# Altium PCB Hvamp_32.PCBDOC (part 5 of 6)
Units mm, origin at the board's own origin, x right, y up, seen from the top; angles counter-clockwise.
Board outline 125.1 x 100.1 mm, 6 copper layers (L1, L2, L3, L4, P5, L6), stack 1.514 mm thick; 578 components, 364 nets, 1709 pads, 908 vias.
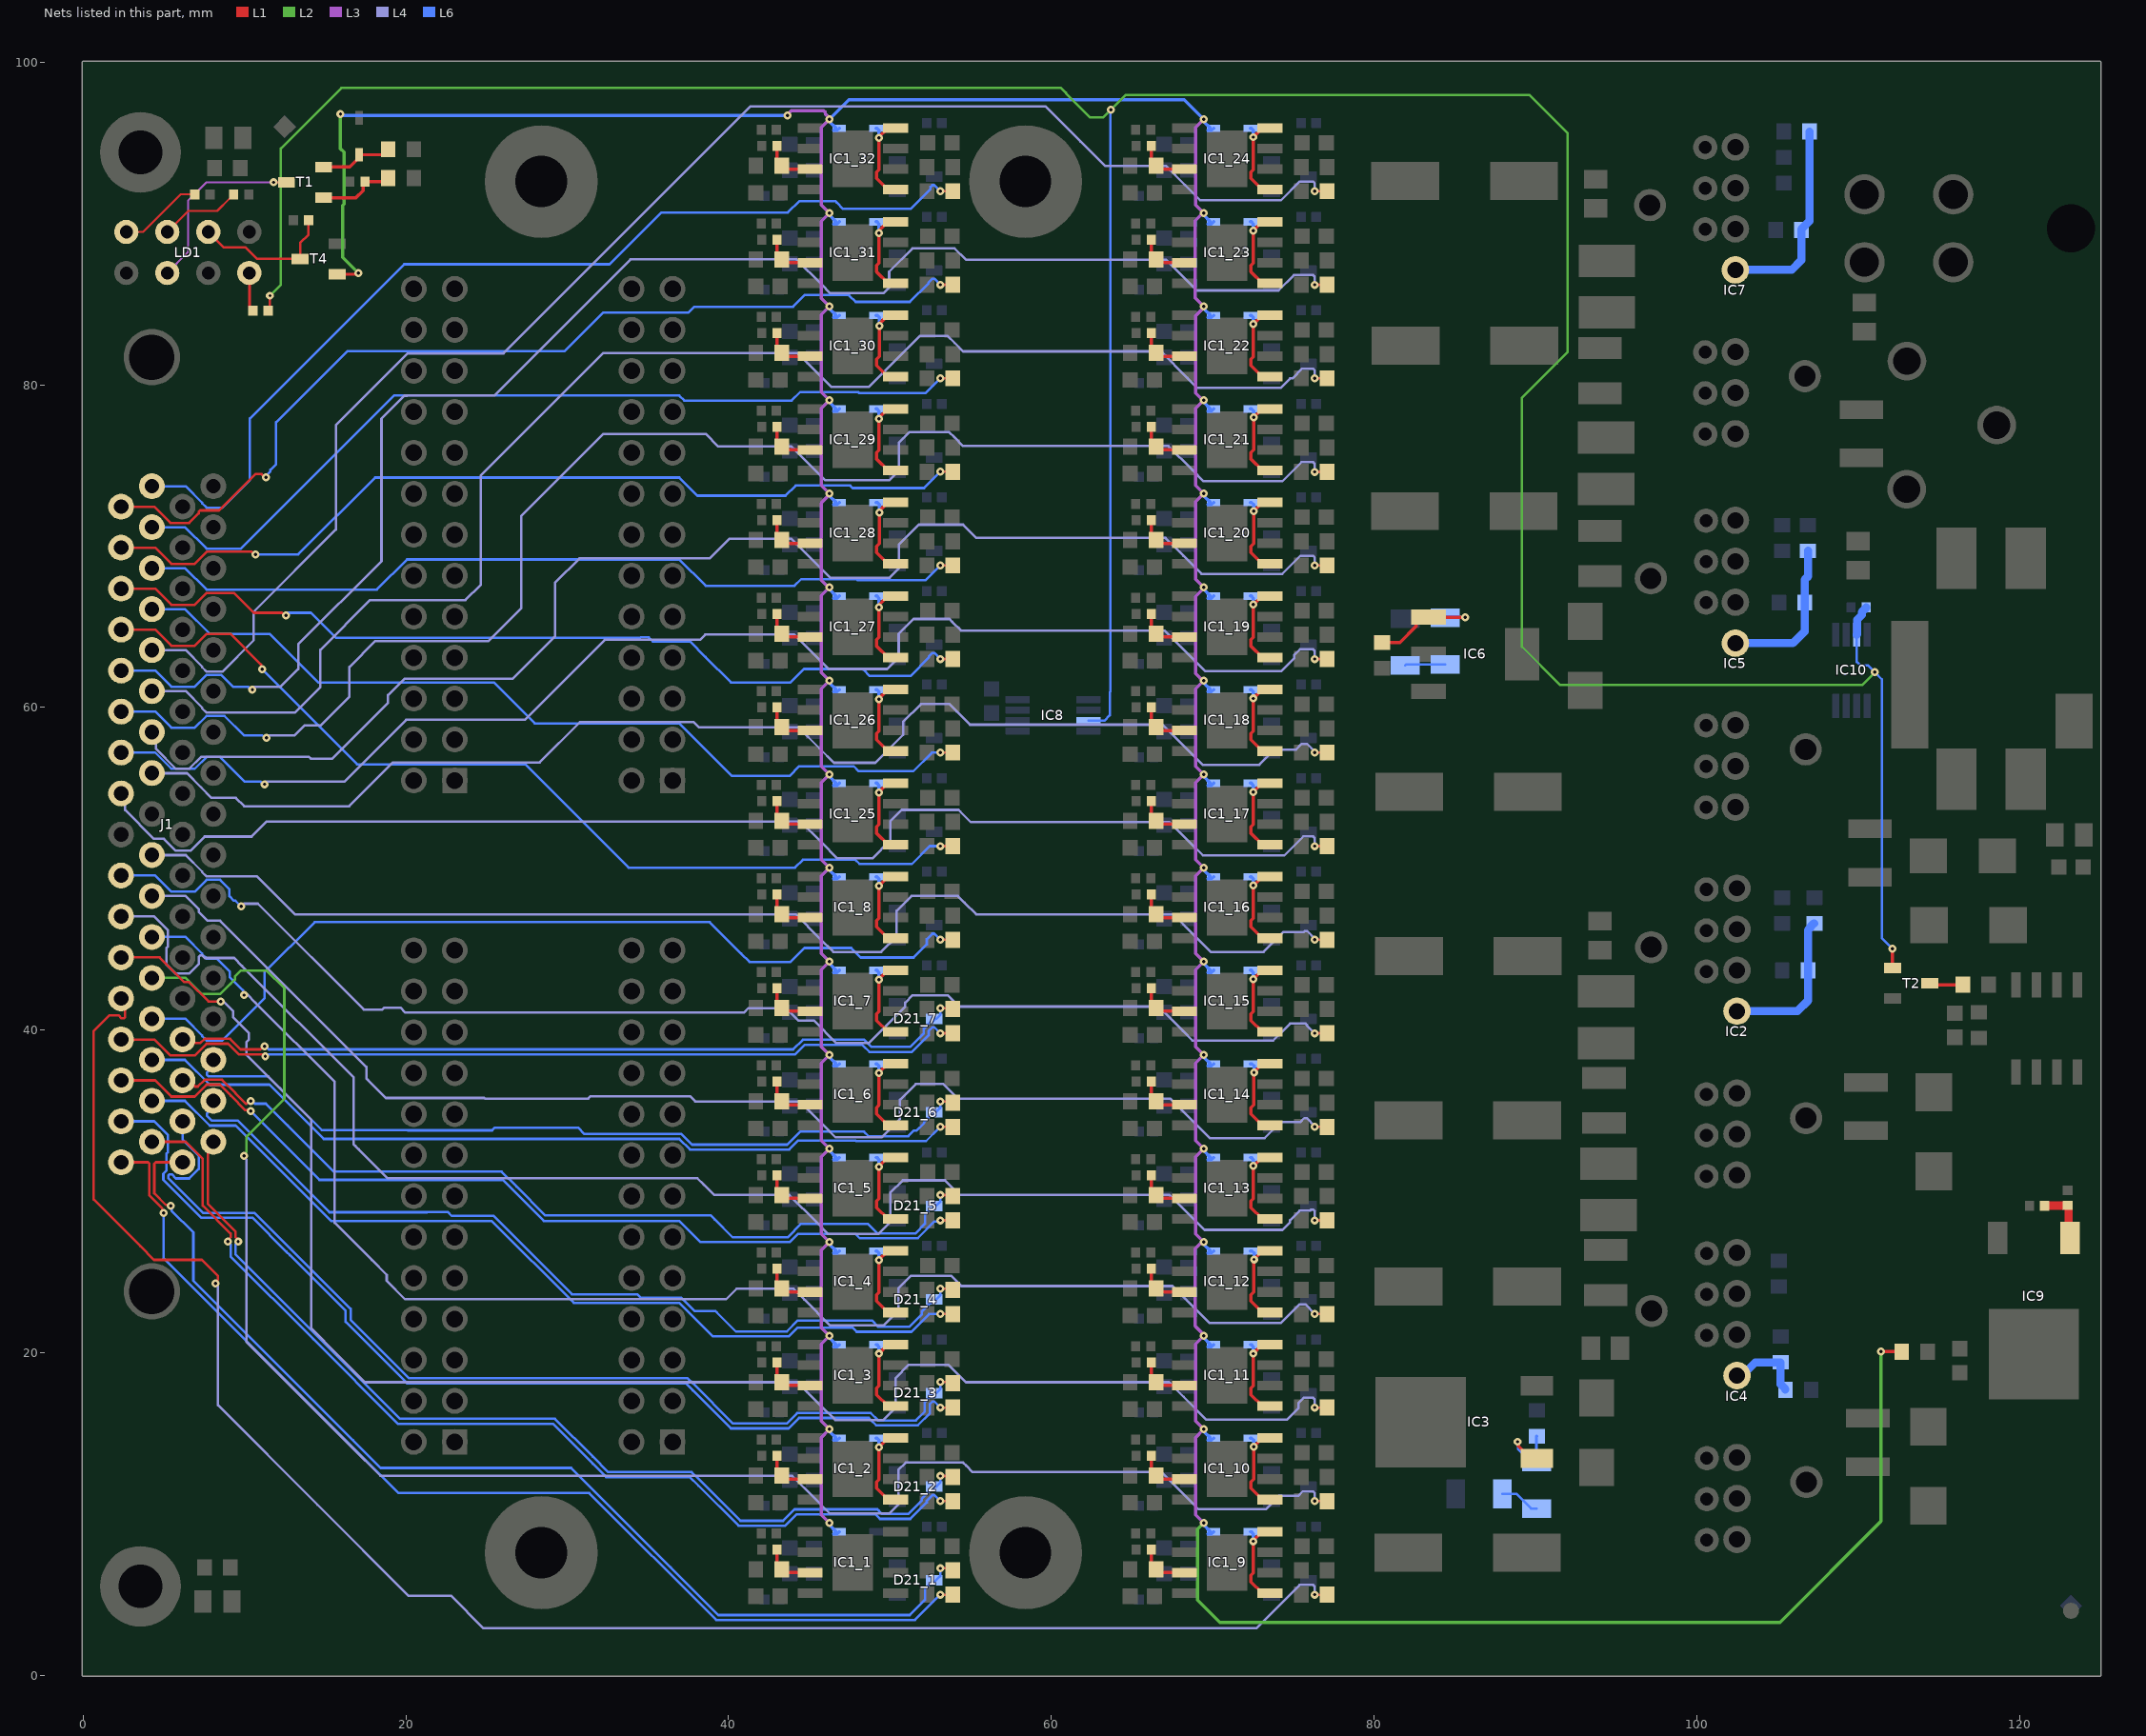
[diagram p9: the nets of this part, all layers, seen from the top]

## Via types
v1: diameter 0.5, hole 0.2, L1 to L6, tented both sides, 873 vias
v2: diameter 0.8, hole 0.5, L1 to L6, tented both sides, 35 vias

## Nets (pads, with @x,y where several pads share a name; then routed paths per layer and width w, separated by ;. In a path a pad name is that pad's centre, name@x,y a point inside that pad or via, vN(x,y) a via of type N, cw(c..) or ccw(c..) an arc to the next point about the centre after c; other vN are vias at no path point) (continued)
NetD2_1_2: D2_1.2 D2_2.2 D2_3.2 D2_4.2 D2_5.2 D2_6.2 D2_7.2 D2_8.2 D2_9.2 D2_10.2 D2_11.2 D2_12.2 D2_13.2 D2_14.2 D2_15.2 D2_16.2 D2_17.2 D2_18.2 D2_19.2 D2_20.2 D2_21.2 D2_22.2 D2_23.2 D2_24.2 D2_25.2 D2_26.2 D2_27.2 D2_28.2 D2_29.2 D2_30.2 D2_31.2 D2_32.2 R26.1 T4.1 | length 356.8
  L1 w0.203: T4.1@15.75,86.85 16.975,86.85 17.043,86.919 v1(17.069,86.919) ; v1(111.43,20.066) R26.1@112.713,20.066
  L3 w0.203: v1(43.663,96.698) 43.663,96.749 43.893,96.979 45.904,96.979 45.999,96.884 45.999,96.781 46.25,96.53 v1(46.25,96.45) 45.745,95.945 45.745,91.155 v1(46.25,90.65) 45.745,90.145 45.745,85.355 v1(46.25,84.85) 45.745,84.345 45.745,79.555 v1(46.25,79.05) 45.745,78.545 45.745,73.755 v1(46.25,73.25) ; v1(46.25,9.45) 45.745,9.955 45.745,14.745 v1(46.25,15.25) 45.745,15.755 45.745,20.545 v1(46.25,21.05) 45.745,21.555 45.745,26.345 v1(46.25,26.85) 45.745,27.355 45.745,32.145 v1(46.25,32.65) 45.745,33.155 45.745,37.945 v1(46.25,38.45) 45.745,38.955 45.745,43.745 v1(46.25,44.25) 45.745,44.755 45.745,49.545 v1(46.25,50.05) 45.745,50.555 45.745,55.345 v1(46.25,55.85) 45.745,56.355 45.745,61.145 v1(46.25,61.65) 45.745,62.155 45.745,66.945 v1(46.25,67.45) ; v1@46.25,67.385 45.745,67.89 45.745,72.68 v1@46.25,73.185 ; v1@69.418,21.147 68.913,21.652 68.913,26.443 v1@69.418,26.948 ; v1@69.418,84.882 68.913,85.387 68.913,90.178 v1@69.418,90.683 ; v1(69.45,9.45) 68.945,9.955 68.945,14.745 v1(69.45,15.25) 68.945,15.755 68.945,20.545 v1(69.45,21.05) ; v1(69.45,26.85) 68.945,27.355 68.945,32.145 v1(69.45,32.65) 68.945,33.155 68.945,37.945 v1(69.45,38.45) 68.945,38.955 68.945,43.745 v1(69.45,44.25) 68.945,44.755 68.945,49.545 v1(69.45,50.05) 68.945,50.555 68.945,55.345 v1(69.45,55.85) 68.945,56.355 68.945,61.145 v1(69.45,61.65) ; v1@69.45,61.585 68.945,62.09 68.945,66.88 v1@69.45,67.385 ; v1(69.45,67.45) 68.945,67.955 68.945,72.745 v1(69.45,73.25) 68.945,73.755 68.945,78.545 v1(69.45,79.05) ; v1@69.45,78.985 68.945,79.49 68.945,84.28 v1@69.45,84.785 ; v1(69.45,90.65) 68.945,91.155 68.945,95.945 v1(69.45,96.45)
  L2 w0.203: v1(15.951,96.774) 15.951,94.636 16.179,94.409 16.179,91.205 16.082,91.109 16.082,87.905 v1(17.069,86.919) ; v1(69.45,9.45) 69.45,9.44 69.063,9.053 69.063,4.674 70.46,3.277 105.156,3.277 111.43,9.55 v1(111.43,20.066)
  L6 w0.203: v1(15.951,96.774) 16.027,96.698 v1(43.663,96.698) ; v1(46.25,9.45) 46.25,9.32 46.65,8.92 46.65,8.9 46.521,8.772 46.732,8.772 D2_1.2@46.86,8.9 ; v1(46.25,15.25) 46.25,15.12 46.65,14.72 46.65,14.7 46.521,14.572 46.732,14.572 D2_2.2@46.86,14.7 ; v1(46.25,21.05) 46.25,20.92 46.65,20.52 46.65,20.5 46.521,20.372 46.732,20.372 D2_3.2@46.86,20.5 ; v1(46.25,26.85) 46.25,26.72 46.65,26.32 46.65,26.3 46.521,26.172 46.732,26.172 D2_4.2@46.86,26.3 ; v1(46.25,32.65) 46.25,32.52 46.65,32.12 46.65,32.1 46.521,31.972 46.732,31.972 D2_5.2@46.86,32.1 ; v1(46.25,38.45) 46.25,38.32 46.65,37.92 46.65,37.9 46.521,37.772 46.732,37.772 D2_6.2@46.86,37.9 ; v1(46.25,44.25) 46.25,44.12 46.65,43.72 46.65,43.7 46.521,43.572 46.732,43.572 D2_7.2@46.86,43.7 ; v1(46.25,50.05) 46.25,49.92 46.65,49.52 46.65,49.5 46.521,49.372 46.732,49.372 D2_8.2@46.86,49.5 ; v1(46.25,55.85) 46.25,55.72 46.65,55.32 46.65,55.3 46.521,55.172 46.732,55.172 D2_25.2@46.86,55.3 ; v1(46.25,61.65) 46.25,61.52 46.65,61.12 46.65,61.1 46.521,60.972 46.732,60.972 D2_26.2@46.86,61.1 ; v1(46.25,67.45) 46.25,67.32 46.65,66.92 46.65,66.9 46.521,66.772 46.732,66.772 D2_27.2@46.86,66.9 ; v1(46.25,73.25) 46.25,73.12 46.65,72.72 46.65,72.7 46.521,72.572 46.732,72.572 D2_28.2@46.86,72.7 ; v1(46.25,79.05) 46.25,78.92 46.65,78.52 46.65,78.5 46.521,78.372 46.732,78.372 D2_29.2@46.86,78.5 ; v1(46.25,84.85) 46.25,84.72 46.65,84.32 46.65,84.3 46.521,84.172 46.732,84.172 D2_30.2@46.86,84.3 ; v1(46.25,90.65) 46.25,90.52 46.65,90.12 46.65,90.1 46.521,89.972 46.732,89.972 D2_31.2@46.86,90.1 ; D2_32.2@46.86,95.9 46.732,95.772 46.521,95.772 46.65,95.9 46.65,95.92 46.25,96.32 v1(46.25,96.45) 47.463,97.663 68.237,97.663 v1(69.45,96.45) 69.45,96.32 69.85,95.92 69.85,95.9 69.721,95.772 69.932,95.772 D2_24.2@70.06,95.9 ; v1(69.45,9.45) 69.45,9.32 69.85,8.92 69.85,8.9 69.721,8.772 69.932,8.772 D2_9.2@70.06,8.9 ; v1(69.45,15.25) 69.45,15.12 69.85,14.72 69.85,14.7 69.721,14.572 69.932,14.572 D2_10.2@70.06,14.7 ; v1(69.45,21.05) 69.45,20.92 69.85,20.52 69.85,20.5 69.721,20.372 69.932,20.372 D2_11.2@70.06,20.5 ; v1(69.45,26.85) 69.45,26.72 69.85,26.32 69.85,26.3 69.721,26.172 69.932,26.172 D2_12.2@70.06,26.3 ; v1(69.45,32.65) 69.45,32.52 69.85,32.12 69.85,32.1 69.721,31.972 69.932,31.972 D2_13.2@70.06,32.1 ; v1(69.45,38.45) 69.45,38.32 69.85,37.92 69.85,37.9 69.721,37.772 69.932,37.772 D2_14.2@70.06,37.9 ; v1(69.45,44.25) 69.45,44.12 69.85,43.72 69.85,43.7 69.721,43.572 69.932,43.572 D2_15.2@70.06,43.7 ; v1(69.45,50.05) 69.45,49.92 69.85,49.52 69.85,49.5 69.721,49.372 69.932,49.372 D2_16.2@70.06,49.5 ; v1(69.45,55.85) 69.45,55.72 69.85,55.32 69.85,55.3 69.721,55.172 69.932,55.172 D2_17.2@70.06,55.3 ; v1(69.45,61.65) 69.45,61.52 69.85,61.12 69.85,61.1 69.721,60.972 69.932,60.972 D2_18.2@70.06,61.1 ; v1(69.45,67.45) 69.45,67.32 69.85,66.92 69.85,66.9 69.721,66.772 69.932,66.772 D2_19.2@70.06,66.9 ; v1(69.45,73.25) 69.45,73.12 69.85,72.72 69.85,72.7 69.721,72.572 69.932,72.572 D2_20.2@70.06,72.7 ; v1(69.45,79.05) 69.45,78.92 69.85,78.52 69.85,78.5 69.721,78.372 69.932,78.372 D2_21.2@70.06,78.5 ; v1(69.45,84.85) 69.45,84.72 69.85,84.32 69.85,84.3 69.721,84.172 69.932,84.172 D2_22.2@70.06,84.3 ; v1(69.45,90.65) 69.45,90.52 69.85,90.12 69.85,90.1 69.721,89.972 69.932,89.972 D2_23.2@70.06,90.1
NetD2_2_1: D2_2.1 IC1_2.5 IC1_2.8 | length 6
  L1 w0.203: v1@49.318,14.148 49.875,14.705 IC1_2.8@50.35,14.705 ; v1(49.322,14.148) 49.322,12.141 49.174,11.993 49.174,11.596 49.875,10.895 IC1_2.5@50.35,10.895
  L6 w0.203: D2_2.1@49.14,14.7 49.194,14.7 49.322,14.572 v1(49.322,14.148)
NetD2_3_1: D2_3.1 IC1_3.5 IC1_3.8 | length 6
  L1 w0.203: v1@49.309,19.939 49.875,20.505 IC1_3.8@50.35,20.505 ; v1(49.322,19.939) 49.322,17.941 49.174,17.793 49.174,17.396 49.875,16.695 IC1_3.5@50.35,16.695
  L6 w0.203: D2_3.1@49.14,20.5 49.194,20.5 49.322,20.372 v1(49.322,19.939)
NetD2_4_1: D2_4.1 IC1_4.5 IC1_4.8 | length 6
  L1 w0.203: v1@49.3,25.73 49.875,26.305 IC1_4.8@50.35,26.305 ; v1(49.322,25.73) 49.322,23.741 49.174,23.593 49.174,23.196 49.875,22.495 IC1_4.5@50.35,22.495
  L6 w0.203: D2_4.1@49.14,26.3 49.194,26.3 49.322,26.172 v1(49.322,25.73)
NetD2_5_1: D2_5.1 IC1_5.5 IC1_5.8 | length 6
  L1 w0.203: v1@49.301,31.521 49.301,31.531 49.875,32.105 IC1_5.8@50.35,32.105 ; v1(49.322,31.521) 49.322,29.541 49.174,29.393 49.174,28.996 49.875,28.295 IC1_5.5@50.35,28.295
  L6 w0.203: D2_5.1@49.14,32.1 49.194,32.1 49.322,31.972 v1(49.322,31.521)
NetD2_6_1: D2_6.1 IC1_6.5 IC1_6.8 | length 6
  L1 w0.203: IC1_6.5@50.35,34.095 49.875,34.095 49.174,34.796 49.174,35.193 49.327,35.346 49.327,37.357 49.875,37.905 IC1_6.8@50.35,37.905
  L6 w0.203: D2_6.1@49.14,37.9 49.198,37.9 49.327,37.772 v1(49.327,37.338)
NetD2_7_1: D2_7.1 IC1_7.5 IC1_7.8 | length 6
  L1 w0.203: v1@49.299,43.129 49.875,43.705 IC1_7.8@50.35,43.705 ; v1(49.322,43.129) 49.322,41.141 49.174,40.993 49.174,40.596 49.875,39.895 IC1_7.5@50.35,39.895
  L6 w0.203: D2_7.1@49.14,43.7 49.194,43.7 49.322,43.572 v1(49.322,43.129)
NetD2_8_1: D2_8.1 IC1_8.5 IC1_8.8 | length 6
  L1 w0.203: v1@49.316,48.946 49.875,49.505 IC1_8.8@50.35,49.505 ; v1(49.322,48.946) 49.322,46.941 49.174,46.793 49.174,46.396 49.875,45.695 IC1_8.5@50.35,45.695
  L6 w0.203: D2_8.1@49.14,49.5 49.194,49.5 49.322,49.372 v1(49.322,48.946)
NetD2_9_1: D2_9.1 IC1_9.5 IC1_9.8 | length 6.1
  L1 w0.203: v1@72.492,8.306 72.492,8.322 73.075,8.905 IC1_9.8@73.55,8.905 ; v1(72.522,8.306) 72.522,6.341 72.374,6.193 72.374,5.796 73.075,5.095 IC1_9.5@73.55,5.095
  L6 w0.203: D2_9.1@72.34,8.9 72.394,8.9 72.522,8.772 v1(72.522,8.306)
NetD2_10_1: D2_10.1 IC1_10.5 IC1_10.8 | length 6
  L1 w0.203: v1(72.542,14.173) 72.542,12.161 72.374,11.993 72.374,11.596 73.075,10.895 IC1_10.5@73.55,10.895 ; v1(72.542,14.173) 73.075,14.705 IC1_10.8@73.55,14.705
  L6 w0.203: D2_10.1@72.34,14.7 72.414,14.7 72.542,14.572 v1(72.542,14.173)
NetD2_11_1: D2_11.1 IC1_11.5 IC1_11.8 | length 6
  L1 w0.203: v1@72.509,19.939 73.075,20.505 IC1_11.8@73.55,20.505 ; v1(72.522,19.939) 72.522,17.941 72.374,17.793 72.374,17.396 73.075,16.695 IC1_11.5@73.55,16.695
  L6 w0.203: D2_11.1@72.34,20.5 72.394,20.5 72.522,20.372 v1(72.522,19.939)
NetD2_12_1: D2_12.1 IC1_12.5 IC1_12.8 | length 6
  L1 w0.203: IC1_12.5@73.55,22.495 73.075,22.495 72.374,23.196 72.374,23.593 72.546,23.765 72.546,25.76 v1(72.568,25.781) 72.568,25.798 73.075,26.305 IC1_12.8@73.55,26.305
  L6 w0.203: D2_12.1@72.34,26.3 72.439,26.3 72.568,26.172 v1(72.568,25.781)
NetD2_13_1: D2_13.1 IC1_13.5 IC1_13.8 | length 6
  L1 w0.203: IC1_13.5@73.55,28.295 73.075,28.295 72.374,28.996 72.374,29.393 72.522,29.541 72.522,31.552 73.075,32.105 IC1_13.8@73.55,32.105
  L6 w0.203: D2_13.1@72.34,32.1 72.394,32.1 72.522,31.972 v1(72.522,31.572)
NetD2_14_1: D2_14.1 IC1_14.5 IC1_14.8 | length 6
  L1 w0.203: IC1_14.5@73.55,34.095 73.075,34.095 72.374,34.796 72.374,35.193 72.546,35.365 72.546,37.342 v1(72.568,37.363) 72.568,37.398 73.075,37.905 IC1_14.8@73.55,37.905
  L6 w0.203: D2_14.1@72.34,37.9 72.439,37.9 72.568,37.772 v1(72.568,37.363)
NetD2_15_1: D2_15.1 IC1_15.5 IC1_15.8 | length 6
  L1 w0.203: IC1_15.5@73.55,39.895 73.075,39.895 72.374,40.596 72.374,40.993 72.522,41.141 72.522,43.152 73.075,43.705 IC1_15.8@73.55,43.705
  L6 w0.203: D2_15.1@72.34,43.7 72.394,43.7 72.522,43.572 v1(72.522,43.155)
NetD2_16_1: D2_16.1 IC1_16.5 IC1_16.8 | length 6
  L1 w0.203: IC1_16.5@73.55,45.695 73.075,45.695 72.374,46.396 72.374,46.793 72.522,46.941 72.522,48.966 72.517,48.971 72.541,48.971 73.075,49.505 IC1_16.8@73.55,49.505
  L6 w0.203: D2_16.1@72.34,49.5 72.394,49.5 72.522,49.372 v1(72.522,48.971)
NetD2_17_1: D2_17.1 IC1_17.5 IC1_17.8 | length 6
  L1 w0.203: IC1_17.5@73.55,51.495 73.075,51.495 72.374,52.196 72.374,52.593 72.522,52.741 72.522,54.752 73.075,55.305 IC1_17.8@73.55,55.305
  L6 w0.203: D2_17.1@72.34,55.3 72.394,55.3 72.522,55.172 v1(72.522,54.762)
NetD2_18_1: D2_18.1 IC1_18.5 IC1_18.8 | length 6
  L1 w0.203: IC1_18.5@73.55,57.295 73.075,57.295 72.374,57.996 72.374,58.393 72.522,58.541 72.522,60.552 73.075,61.105 IC1_18.8@73.55,61.105
  L6 w0.203: D2_18.1@72.34,61.1 72.394,61.1 72.522,60.972 v1(72.522,60.554)
NetD2_19_1: D2_19.1 IC1_19.5 IC1_19.8 | length 6
  L1 w0.203: IC1_19.5@73.55,63.095 73.075,63.095 72.374,63.796 72.374,64.193 72.522,64.341 72.522,66.365 72.517,66.37 72.54,66.37 73.075,66.905 IC1_19.8@73.55,66.905
  L6 w0.203: D2_19.1@72.34,66.9 72.394,66.9 72.522,66.772 v1(72.522,66.37)
NetD2_20_1: D2_20.1 IC1_20.5 IC1_20.8 | length 6
  L1 w0.203: IC1_20.5@73.55,68.895 73.075,68.895 72.374,69.596 72.374,69.993 72.542,70.161 72.542,72.172 73.075,72.705 IC1_20.8@73.55,72.705
  L6 w0.203: D2_20.1@72.34,72.7 72.414,72.7 72.542,72.572 v1(72.542,72.161)
NetD2_21_1: D2_21.1 IC1_21.5 IC1_21.8 | length 6
  L1 w0.203: IC1_21.5@73.55,74.695 73.075,74.695 72.374,75.396 72.374,75.793 72.542,75.961 v1(72.542,77.978) 72.548,77.978 73.075,78.505 IC1_21.8@73.55,78.505
  L6 w0.203: D2_21.1@72.34,78.5 72.414,78.5 72.542,78.372 v1(72.542,77.978)
NetD2_22_1: D2_22.1 IC1_22.5 IC1_22.8 | length 6
  L1 w0.203: IC1_22.5@73.55,80.495 73.075,80.495 72.374,81.196 72.374,81.593 72.522,81.741 72.522,83.752 73.075,84.305 IC1_22.8@73.55,84.305
  L6 w0.203: D2_22.1@72.34,84.3 72.394,84.3 72.522,84.172 v1(72.522,83.769)
NetD2_23_1: D2_23.1 IC1_23.5 IC1_23.8 | length 6
  L1 w0.203: IC1_23.5@73.55,86.295 73.075,86.295 72.374,86.996 72.374,87.393 72.522,87.541 72.522,89.555 72.517,89.56 72.53,89.56 73.075,90.105 IC1_23.8@73.55,90.105
  L6 w0.203: D2_23.1@72.34,90.1 72.394,90.1 72.522,89.972 v1(72.522,89.56)
NetD2_24_1: D2_24.1 IC1_24.5 IC1_24.8 | length 6
  L1 w0.203: IC1_24.5@73.55,92.095 73.075,92.095 72.374,92.796 72.374,93.193 72.522,93.341 v1(72.522,95.352) 73.075,95.905 IC1_24.8@73.55,95.905
  L6 w0.203: D2_24.1@72.34,95.9 72.394,95.9 72.522,95.772 v1(72.522,95.352)
NetD2_25_1: D2_25.1 IC1_25.5 IC1_25.8 | length 6.1
  L1 w0.203: v1@49.282,54.712 49.875,55.305 IC1_25.8@50.35,55.305 ; v1(49.322,54.712) 49.322,52.741 49.174,52.593 49.174,52.196 49.875,51.495 IC1_25.5@50.35,51.495
  L6 w0.203: D2_25.1@49.14,55.3 49.194,55.3 49.322,55.172 v1(49.322,54.712)
NetD2_26_1: D2_26.1 IC1_26.5 IC1_26.8 | length 6.1
  L1 w0.203: v1@49.276,60.506 49.875,61.105 IC1_26.8@50.35,61.105 ; v1(49.322,60.503) 49.322,58.541 49.174,58.393 49.174,57.996 49.875,57.295 IC1_26.5@50.35,57.295
  L6 w0.203: D2_26.1@49.14,61.1 49.194,61.1 49.322,60.972 v1(49.322,60.503)
NetD2_27_1: D2_27.1 IC1_27.5 IC1_27.8 | length 6.2
  L1 w0.203: v1@49.276,66.192 49.379,66.295 49.379,66.409 49.875,66.905 IC1_27.8@50.35,66.905 ; v1(49.322,66.215) 49.322,64.341 49.174,64.193 49.174,63.796 49.875,63.095 IC1_27.5@50.35,63.095
  L6 w0.203: D2_27.1@49.14,66.9 49.194,66.9 49.322,66.772 v1(49.322,66.215)
NetD2_28_1: D2_28.1 IC1_28.5 IC1_28.8 | length 6.1
  L1 w0.203: IC1_28.5@50.35,68.895 49.875,68.895 49.174,69.596 49.174,69.993 49.346,70.165 49.346,72.079 49.409,72.142 49.409,72.239 49.875,72.705 IC1_28.8@50.35,72.705
  L6 w0.203: D2_28.1@49.14,72.7 49.224,72.7 49.352,72.572 v1(49.352,72.085)
NetD2_29_1: D2_29.1 IC1_29.5 IC1_29.8 | length 6.1
  L1 w0.203: IC1_29.5@50.35,74.695 49.875,74.695 49.174,75.396 49.174,75.793 49.327,75.946 49.327,77.957 49.875,78.505 IC1_29.8@50.35,78.505
  L6 w0.203: D2_29.1@49.14,78.5 49.198,78.5 49.327,78.372 v1(49.327,77.902)
NetD2_30_1: D2_30.1 IC1_30.5 IC1_30.8 | length 6.1
  L1 w0.203: IC1_30.5@50.35,80.495 49.875,80.495 49.174,81.196 49.174,81.593 49.346,81.765 49.346,83.636 49.409,83.699 49.409,83.839 49.875,84.305 IC1_30.8@50.35,84.305
  L6 w0.203: D2_30.1@49.14,84.3 49.224,84.3 49.352,84.172 v1(49.352,83.642)
NetD2_31_1: D2_31.1 IC1_31.5 IC1_31.8 | length 6.2
  L1 w0.203: v1(49.322,89.414) 49.322,87.541 49.174,87.393 49.174,86.996 49.875,86.295 IC1_31.5@50.35,86.295 ; v1@49.327,89.383 49.379,89.435 49.379,89.609 49.875,90.105 IC1_31.8@50.35,90.105
  L6 w0.203: D2_31.1@49.14,90.1 49.194,90.1 49.322,89.972 v1(49.322,89.414)
NetD2_32_1: D2_32.1 IC1_32.5 IC1_32.8 | length 6.1
  L1 w0.203: v1@49.301,95.301 49.301,95.331 49.875,95.905 IC1_32.8@50.35,95.905 ; v1(49.322,95.301) 49.322,93.341 49.174,93.193 49.174,92.796 49.875,92.095 IC1_32.5@50.35,92.095
  L6 w0.203: D2_32.1@49.14,95.9 49.194,95.9 49.322,95.772 v1(49.322,95.301)
NetD5_1: D5.1 R19.1 T1.2 | length 4.6
  L1 w0.203: T1.2@14.9,93.5 16.53,93.5 17.1,94.07 D5.1@17.1,94.26 18.56,94.26 R19.1@18.9,94.6
NetIC1_1_3: IC1_1.3 R4_1.2 R5_1.2 | length 3.2
  L1 w0.203: R4_1.2@43,7.8 43,6.868 43.503,6.365 IC1_1.3@45.05,6.365
NetIC1_2_3: IC1_2.3 R4_2.2 R5_2.2 | length 3.2
  L1 w0.203: R4_2.2@43,13.6 43,12.668 43.503,12.165 IC1_2.3@45.05,12.165
NetIC1_3_3: IC1_3.3 R4_3.2 R5_3.2 | length 3.2
  L1 w0.203: R4_3.2@43,19.4 43,18.468 43.503,17.965 IC1_3.3@45.05,17.965
NetIC1_4_3: IC1_4.3 R4_4.2 R5_4.2 | length 3.2
  L1 w0.203: R4_4.2@43,25.2 43,24.268 43.503,23.765 IC1_4.3@45.05,23.765
NetIC1_5_3: IC1_5.3 R4_5.2 R5_5.2 | length 3.2
  L1 w0.203: R4_5.2@43,31 43,30.068 43.503,29.565 IC1_5.3@45.05,29.565
NetIC1_6_3: IC1_6.3 R4_6.2 R5_6.2 | length 3.2
  L1 w0.203: R4_6.2@43,36.8 43,35.868 43.503,35.365 IC1_6.3@45.05,35.365
NetIC1_7_3: IC1_7.3 R4_7.2 R5_7.2 | length 3.2
  L1 w0.203: R4_7.2@43,42.6 43,41.668 43.503,41.165 IC1_7.3@45.05,41.165
NetIC1_8_3: IC1_8.3 R4_8.2 R5_8.2 | length 3.2
  L1 w0.203: R4_8.2@43,48.4 43,47.468 43.503,46.965 IC1_8.3@45.05,46.965
NetIC1_9_3: IC1_9.3 R4_9.2 R5_9.2 | length 3.2
  L1 w0.203: R4_9.2@66.2,7.8 66.2,6.868 66.703,6.365 IC1_9.3@68.25,6.365
NetIC1_10_3: IC1_10.3 R4_10.2 R5_10.2 | length 3.2
  L1 w0.203: R4_10.2@66.2,13.6 66.2,12.668 66.703,12.165 IC1_10.3@68.25,12.165
NetIC1_11_3: IC1_11.3 R4_11.2 R5_11.2 | length 3.2
  L1 w0.203: R4_11.2@66.2,19.4 66.2,18.468 66.703,17.965 IC1_11.3@68.25,17.965
NetIC1_12_3: IC1_12.3 R4_12.2 R5_12.2 | length 3.2
  L1 w0.203: R4_12.2@66.2,25.2 66.2,24.268 66.703,23.765 IC1_12.3@68.25,23.765
NetIC1_13_3: IC1_13.3 R4_13.2 R5_13.2 | length 3.2
  L1 w0.203: R4_13.2@66.2,31 66.2,30.068 66.703,29.565 IC1_13.3@68.25,29.565
NetIC1_14_3: IC1_14.3 R4_14.2 R5_14.2 | length 3.2
  L1 w0.203: R4_14.2@66.2,36.8 66.2,35.868 66.703,35.365 IC1_14.3@68.25,35.365
NetIC1_15_3: IC1_15.3 R4_15.2 R5_15.2 | length 3.2
  L1 w0.203: R4_15.2@66.2,42.6 66.2,41.668 66.703,41.165 IC1_15.3@68.25,41.165
NetIC1_16_3: IC1_16.3 R4_16.2 R5_16.2 | length 3.2
  L1 w0.203: R4_16.2@66.2,48.4 66.2,47.468 66.703,46.965 IC1_16.3@68.25,46.965
NetIC1_17_3: IC1_17.3 R4_17.2 R5_17.2 | length 3.2
  L1 w0.203: R4_17.2@66.2,54.2 66.2,53.268 66.703,52.765 IC1_17.3@68.25,52.765
NetIC1_18_3: IC1_18.3 R4_18.2 R5_18.2 | length 3.2
  L1 w0.203: R4_18.2@66.2,60 66.2,59.068 66.703,58.565 IC1_18.3@68.25,58.565
NetIC1_19_3: IC1_19.3 R4_19.2 R5_19.2 | length 3.2
  L1 w0.203: R4_19.2@66.2,65.8 66.2,64.868 66.703,64.365 IC1_19.3@68.25,64.365
NetIC1_20_3: IC1_20.3 R4_20.2 R5_20.2 | length 3.2
  L1 w0.203: R4_20.2@66.2,71.6 66.2,70.668 66.703,70.165 IC1_20.3@68.25,70.165